# Altium PCB AMC_Single_Panel.PcbDoc (part 3 of 5)
Units mm, origin at the board's own origin, x right, y up, seen from the top; angles counter-clockwise.
Board outline 67.1 x 200.1 mm, 4 copper layers (TOP, GND, PWR, BTM), stack 1.618 mm thick; 416 components, 275 nets, 1519 pads, 733 vias.
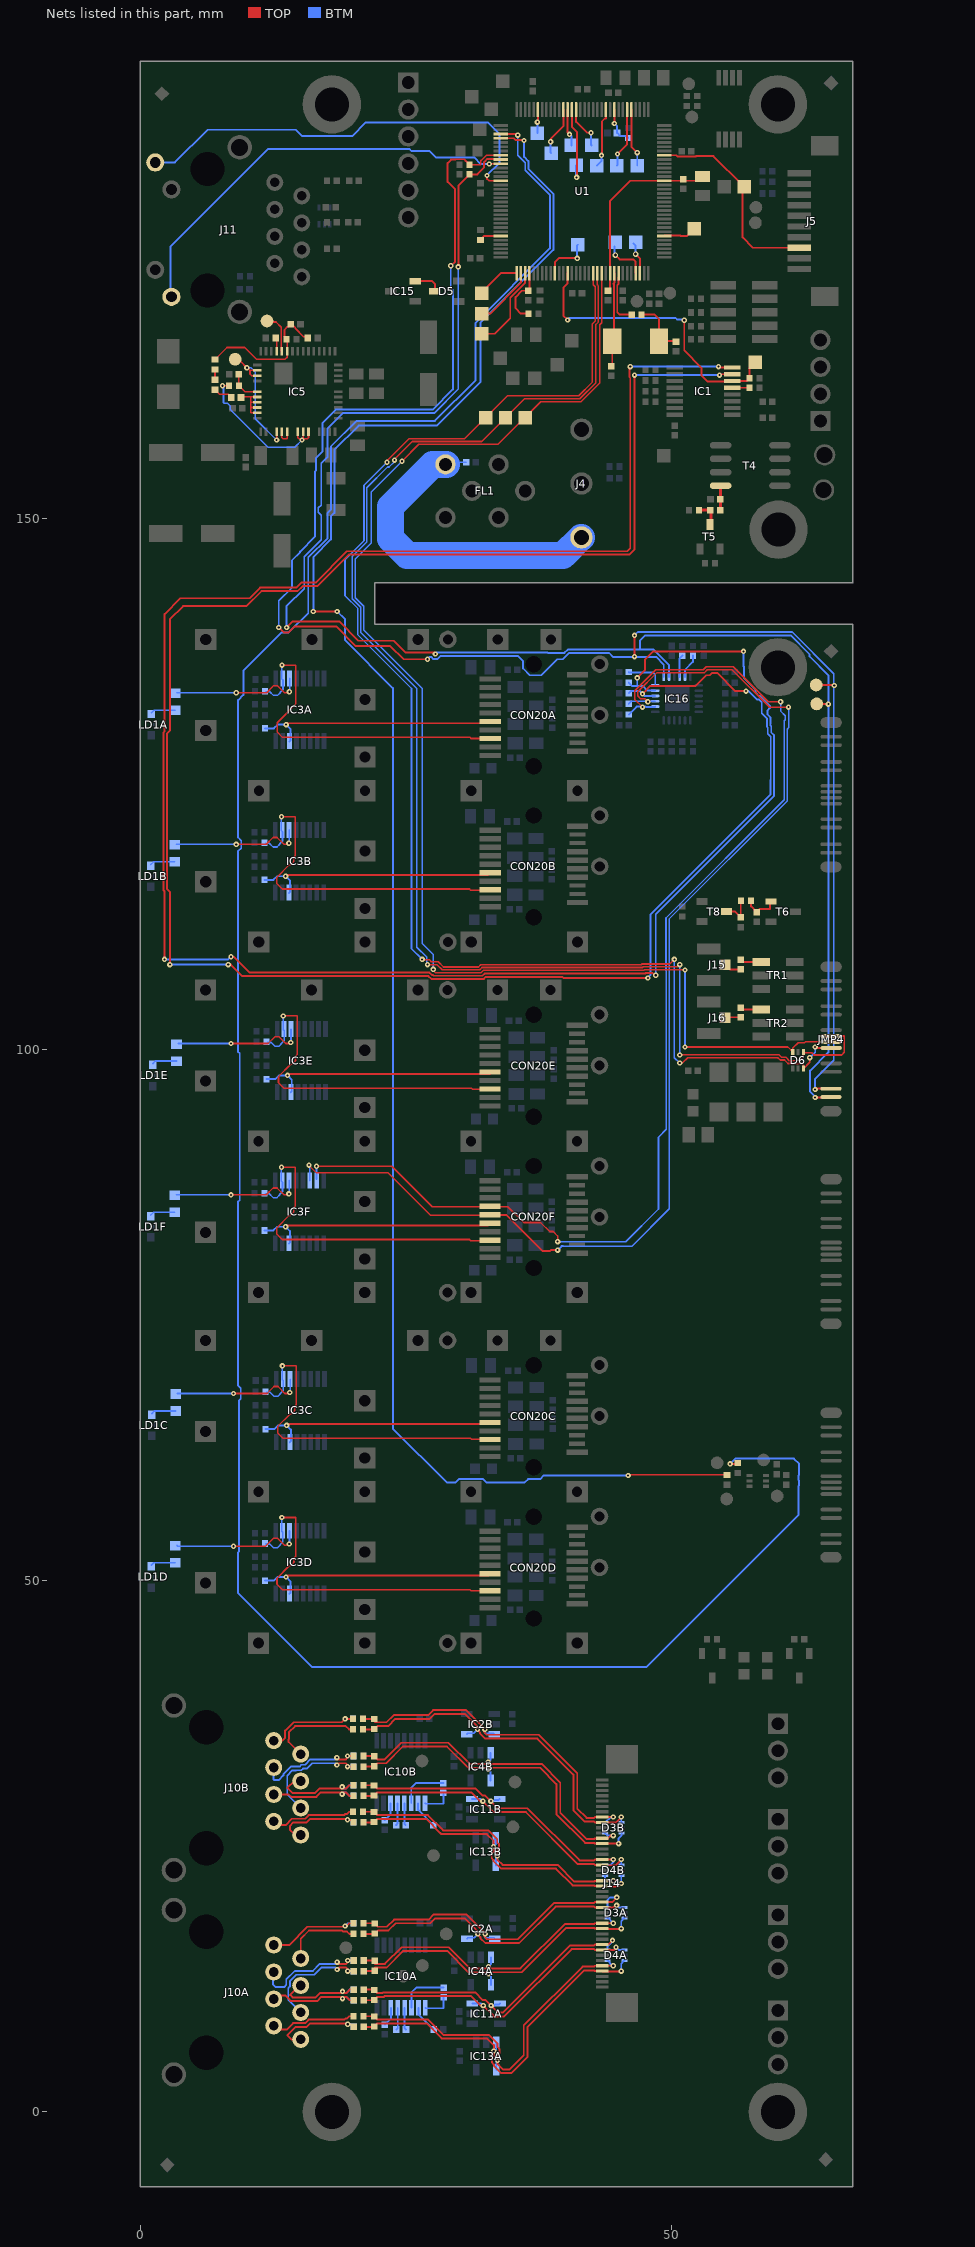
[diagram p5: the nets of this part, all layers, seen from the top]

## Via types
v1: diameter 0.5, hole 0.2, TOP to BTM, tented both sides, 677 vias
v2: diameter 0.5, hole 0.2, TOP to BTM, 44 vias
v3: diameter 0.5, hole 0.3, TOP to BTM, tented both sides, 5 vias
v4: diameter 0.66, hole 0.33, TOP to BTM, tented both sides, 4 vias
v5: diameter 0.51, hole 0.3, TOP to BTM, 3 vias

## Nets (pads, with @x,y where several pads share a name; then routed paths per layer and width w, separated by ;. In a path a pad name is that pad's centre, name@x,y a point inside that pad or via, vN(x,y) a via of type N, cw(c..) or ccw(c..) an arc to the next point about the centre after c; other vN are vias at no path point) (continued)
I2CG.SCL: CON20F.5 IC3F.14 IC16.15 R203.1 | length 113
  TOP w0.152: v1(15.855,89.126) 15.855,89.088 16.517,88.426 23.255,88.426 27.255,84.426 CON20F.5@32.755,84.426 ; v1(47.75,132.75) 47.451,133.049 47.063,133.049 46.799,133.313 46.799,133.687 48.612,135.5 53.081,135.5 53.352,135.771 55.677,135.771 59.221,132.228 60.978,132.228 v1(61,132.25)
  TOP w0.178: CON20F.5@32.855,84.421 34.46,84.421 37.83,81.051 38.552,81.051 38.627,81.126 v1(39.255,81.126)
  BTM w0.152: v1(15.855,89.126) 15.93,89.051 IC3F.14@15.93,87.676 ; 39.75,81.5 46.25,81.5 49.768,85.018 49.768,107.525 49.75,107.544 49.75,112.304 60.863,123.417 60.863,130.161 61,130.297 v1(61,132.25) ; 47.5,132.8 47.7,132.8 v1(47.75,132.75)
  BTM w0.178: v1(39.255,81.126) 39.629,81.5 39.75,81.5 ; R203.1@45.95,132.55 46.2,132.8 47.5,132.8 ; v1@47.7,132.8 IC16.15@48.45,132.8
I2CG.SDA: CON20F.4 IC3F.15 IC16.14 R202.1 | length 111.5
  TOP w0.152: v1(16.555,89.026) 23.655,89.026 27.46,85.221 32.855,85.221 34.56,85.221 36.055,83.726 37.655,83.726 38.504,82.877 38.842,82.877 39.255,82.464 v1(39.255,81.926) ; v1(47.25,132.25) 46.526,132.974 46.526,133.8 48.499,135.772 52.968,135.772 53.239,136.044 55.79,136.044 59.084,132.75 v1(60.25,132.75)
  BTM w0.152: IC3F.15@16.555,87.826 v1(16.555,89.026) ; v1(39.255,81.926) 45.676,81.926 48.75,85 48.75,91.75 49.496,92.496 49.496,107.413 49.457,107.451 49.457,112.396 60.591,123.53 60.591,130.953 60.701,131.063 60.701,131.437 60.25,131.888 v1(60.25,132.75)
  BTM w0.178: R202.1@45.95,131.55 46.7,132.3 47.528,132.3 47.553,132.275 48.425,132.275 IC16.14@48.45,132.3
I2CH.SCL: IC1.16 IC16.17 R205.1 | length 204.8
  TOP w0.178: v1(2.25,108.5) 2.25,114.907 2.16,114.997 2.16,129.884 2.25,129.974 2.25,141 3.75,142.5 10.25,142.5 11.25,143.5 14.66,143.5 15.125,143.965 16.465,143.965 19.42,146.92 45.82,146.92 46.1,147.2 46.1,163.228 46.025,163.303 46.025,164.225 v1(46.1,164.3) ; v1(8.5,108.75) 8.75,108.75 9.75,107.75 ; 9.75,107.75 10.25,107.25 27.192,107.25 27.405,107.036 27.51,107.036 27.589,106.957 32.168,106.957 32.376,107.165 47.493,107.165 47.553,107.225 48.145,107.225 v1@48.435,106.935 ; v1(46.75,135) 47.5,135.75 47.5,136.75 48.25,137.5 v1(56.75,137.5) ; v1(54.4,164.3) 54.477,164.223 IC1.16@55.7,164.223
  BTM w0.178: v1(2.25,108.5) 8.25,108.5 v1(8.5,108.75) ; R205.1@45.95,134.55 46.25,134.25 46.75,134.25 ; v1(46.1,164.3) v1(54.4,164.3) ; v1(46.75,135) 46.75,134.25 ; IC16.17@48.45,133.8 47.7,133.8 47.25,134.25 46.75,134.25 ; v1(48.5,107) 48.5,112.75 59.616,123.866 59.616,125.25 59.64,125.274 59.64,129.583 59.365,129.858 59.365,130.462 59.279,130.548 59.279,130.654 59.295,130.671 59.295,131.283 59.025,131.553 59.025,131.946 59.25,132.172 59.25,132.374 58.329,133.295 58.205,133.295 57.9,133.6 57.9,133.9 56.79,135.01 56.79,136.074 56.75,136.114 v1(56.75,137.5)
I2CH.SDA: IC1.15 IC16.16 R204.1 | length 197.6
  TOP w0.178: v1(2.75,108) 2.75,114.859 2.48,115.129 2.48,129.752 2.75,130.022 2.75,140.5 4,141.75 9.953,141.75 11.383,143.18 14.793,143.18 15.258,143.645 16.645,143.645 19.6,146.6 46,146.6 46.5,147.1 v1(46.5,163.5) ; v1(8.25,108) 8.5,108 9.57,106.93 27.09,106.93 27.362,106.659 32.323,106.659 32.509,106.845 39.691,106.845 39.786,106.75 v1(47.75,106.75) ; v1(47.25,133.5) 48,134.25 52.25,134.25 53.25,135.25 53.578,135.25 53.803,135.475 54.275,135.475 56,133.75 v1(57,133.75) ; v1(54.5,163.5) 54.588,163.588 IC1.15@55.7,163.588
  BTM w0.178: v1(2.75,108) v1(8.25,108) ; R204.1@45.95,133.55 46.15,133.75 47,133.75 v1(47.25,133.5) 47.45,133.3 IC16.16@48.45,133.3 ; v1(46.5,163.5) v1(54.5,163.5) ; v1(47.75,106.75) 48,107 48,112.703 59.296,123.999 59.296,125.383 59.32,125.406 59.32,129.45 59.045,129.725 59.045,130.329 58.956,130.418 58.956,130.784 58.975,130.803 58.975,131.15 58.475,131.65 58.475,132.696 58.197,132.975 58.025,132.975 57.25,133.75 v1(57,133.75)
LCD_RSTN: J5.3 TP23.1 U1.121 | length 18.9
  TOP w0.178: U1.121@49.6,184.2 50.419,184.2 50.549,184.07 52.251,184.07 52.301,184.12 53.925,184.12 56.675,181.37 56.675,176.475 57.65,175.5 J5.3@62,175.5
LED1: J11.D3 U1.42 | length 40
  TOP w0.178: v1(32.822,183.378) 32.8,183.4 U1.42@33.9,183.4
  BTM w0.178: J11.D3@2.8,171.2 2.8,175.6 12,184.8 25.3,184.8 25.5,184.6 27.2,184.6 27.8,184 31.4,184 32.022,183.378 v1(32.822,183.378)
LED2: J11.D1 U1.46 | length 41
  TOP w0.178: v1(32.6,182.3) 32.6,182 32.8,181.8 U1.46@33.9,181.8
  BTM w0.178: J11.D1@1.378,183.525 3.225,183.525 6.3,186.6 14.6,186.6 15.2,186 19.9,186 21.2,187.3 32.7,187.3 33.8,186.2 33.8,183.5 v1(32.6,182.3)
LOSA: CON20A.8 IC3A.10 R91A.1 | length 33
  TOP w0.152: v1(13.3,136.2) 14.6,136.2 14.6,132.538 12.849,130.787 12.849,129.913 13.366,129.396 31.004,129.396 31.105,129.295 CON20A.8@32.9,129.295
  BTM w0.152: R91A.1@11.8,133.7 12.162,133.7 12.513,133.349 12.887,133.349 13.151,133.613 13.151,133.651 13.4,133.9 13.4,134.8 13.3,134.9 v1(13.3,136.2)
LOSB: CON20B.8 IC3B.10 R91B.1 | length 33
  TOP w0.152: v1(13.255,121.926) 14.555,121.926 14.555,118.264 14.404,118.113 14.404,117.713 14.068,117.377 13.968,117.377 12.804,116.213 12.804,115.639 13.321,115.122 30.959,115.122 31.06,115.021 CON20B.8@32.855,115.021
  BTM w0.152: R91B.1@11.755,119.426 12.117,119.426 12.468,119.075 12.842,119.075 13.106,119.339 13.106,119.377 13.355,119.626 13.355,120.526 13.255,120.626 v1(13.255,121.926)
LOSC: CON20C.8 IC3C.10 R91C.1 | length 33
  TOP w0.152: v1(13.343,70.23) 14.643,70.23 14.643,66.568 14.491,66.417 14.491,66.017 14.156,65.682 14.056,65.682 12.891,64.517 12.891,63.944 13.408,63.427 31.046,63.427 31.148,63.325 CON20C.8@32.943,63.325
  BTM w0.152: R91C.1@11.843,67.73 12.205,67.73 12.556,67.379 12.929,67.379 13.194,67.644 13.194,67.682 13.443,67.93 13.443,68.83 13.343,68.93 v1(13.343,70.23)
LOSD: CON20D.8 IC3D.10 R91D.1 | length 33
  TOP w0.152: v1(13.292,55.956) 14.592,55.956 14.592,52.294 14.441,52.142 14.441,51.742 14.105,51.407 14.005,51.407 12.841,50.242 12.841,49.669 13.358,49.152 30.996,49.152 31.097,49.051 CON20D.8@32.892,49.051
  BTM w0.152: R91D.1@11.792,53.456 12.154,53.456 12.505,53.104 12.879,53.104 13.143,53.369 13.143,53.407 13.392,53.656 13.392,54.556 13.292,54.656 v1(13.292,55.956)
LOSE: CON20E.8 IC3E.10 R91E.1 | length 33
  TOP w0.152: v1(13.43,103.176) 14.73,103.176 14.73,99.514 14.579,99.363 14.579,98.963 14.243,98.627 14.143,98.627 12.979,97.463 12.979,96.889 13.496,96.372 31.134,96.372 31.235,96.271 CON20E.8@33.03,96.271
  BTM w0.152: R91E.1@11.93,100.676 12.292,100.676 12.643,100.325 13.017,100.325 13.281,100.589 13.281,100.627 13.53,100.876 13.53,101.776 13.43,101.876 v1(13.43,103.176)
LOSF: CON20F.8 IC3F.10 R91F.1 | length 33
  TOP w0.152: v1(13.255,88.926) 14.555,88.926 14.555,85.264 14.404,85.113 14.404,84.713 14.068,84.377 13.968,84.377 12.804,83.213 12.804,82.639 13.321,82.122 30.959,82.122 31.06,82.021 CON20F.8@32.855,82.021
  BTM w0.152: R91F.1@11.755,86.426 12.117,86.426 12.468,86.075 12.842,86.075 13.106,86.339 13.106,86.377 13.355,86.626 13.355,87.526 13.255,87.626 v1(13.255,88.926)
LVDS0_N: D3B.1 IC2B.4 J14.32 R22B.1 R40B.2 | length 33.3
  TOP w0.178: R40B.2@20.94,36 21.97,36 22.292,36.322 23.295,36.322 23.973,37 27.223,37 27.687,37.464 30.506,37.464 31.72,36.25 v1(31.72,36) 31.72,35.95 31.965,35.705 31.965,35.607 32.428,35.144 37.356,35.144 40.75,31.75 40.75,28.406 41.834,27.322 42.689,27.322 42.761,27.25 J14.32@43.45,27.25 43.472,27.228 44.728,27.228 v1(45.25,27.75)
  BTM w0.178: IC2B.4@30.7,35.55 30.789,35.639 31.359,35.639 v1(31.72,36) ; v1(45.25,27.75) 45.25,27.29 D3B.1@45.29,27.25
LVDS0_P: D3B.6 IC2B.3 J14.33 R22B.2 R39B.2 | length 32.9
  TOP w0.178: R39B.2@20.94,37 21.75,37 22.072,36.678 23.148,36.678 23.826,37.356 27.076,37.356 27.54,37.82 30.653,37.82 32.408,36.065 v1(32.408,36) 32.346,35.938 32.346,35.73 32.576,35.5 37.503,35.5 41.106,31.897 41.106,28.553 41.981,27.678 42.689,27.678 42.761,27.75 J14.33@43.45,27.75 v1(44.5,27.75)
  BTM w0.178: v1(32.408,36) 32.408,35.639 33.211,35.639 IC2B.3@33.3,35.55 ; D3B.6@43.71,27.25 43.75,27.25 44.25,27.75 v1(44.5,27.75)
LVDS0A_N: D3A.1 IC2A.4 J14.16 R22A.1 R40A.2 | length 29.1
  TOP w0.178: R40A.2@20.97,16.75 22,16.75 22.322,17.072 23.325,17.072 24.003,17.75 27.253,17.75 27.717,18.214 30.536,18.214 31.75,17 v1(31.75,16.75) 31.75,16.7 31.995,16.455 31.995,16.357 32.458,15.894 35.647,15.894 39.075,19.322 42.689,19.322 42.761,19.25 J14.16@43.45,19.25 44.5,19.25 v1@44.75,19.5
  BTM w0.178: IC2A.4@30.73,16.3 30.819,16.389 31.389,16.389 v1(31.75,16.75) ; v1(44.814,19.436) 45,19.25 D3A.1@45.54,19.25
LVDS0A_P: D3A.6 IC2A.3 J14.17 R22A.2 R39A.2 | length 30.2
  TOP w0.178: R39A.2@20.97,17.75 22,17.75 22.322,17.428 23.178,17.428 23.856,18.106 27.106,18.106 27.57,18.57 30.683,18.57 32.438,16.815 v1(32.438,16.75) 32.376,16.688 32.376,16.48 32.606,16.25 35.5,16.25 38.25,19 ; 38.354,19.104 38.928,19.678 42.689,19.678 42.761,19.75 J14.17@43.45,19.75 44.391,19.75 v1(44.829,20.188)
  BTM w0.178: v1(32.438,16.75) 32.438,16.389 33.241,16.389 IC2A.3@33.33,16.3 ; D3A.6@43.96,19.25 43.96,19.96 44.188,20.188 v1(44.829,20.188)
LVDS0CA_N: J10A.2 R40A.1 | length 7.3
  TOP w0.178: J10A.2@15.07,14.435 15.07,16.292 15.85,17.072 18.94,17.072 19.034,16.978 19.423,16.978 19.651,16.75 R40A.1@20.03,16.75
LVDS0CA_P: J10A.1 R16A.1 R39A.1 | length 9.6
  TOP w0.178: J10A.1@12.374,15.376 J10A.1@12.702,15.705 ; J10A.1@12.53,15.705 J10A.1@12.702,15.705 ; v1@19.25,17.428 15.703,17.428 13.98,15.705 J10A.1@12.702,15.705 ; v1@19.329,17.428 19.651,17.75 R39A.1@20.03,17.75
  BTM w0.178: v1(19.25,17.5) 19.5,17.75 R16A.1@20.03,17.75
LVDS0CB_N: J10B.2 R40B.1 | length 9
  TOP w0.178: J10B.2@15.07,33.685 13.92,34.835 13.92,35.042 13.956,35.078 13.956,35.736 14.542,36.322 19.299,36.322 19.621,36 R40B.1@20,36
LVDS0CB_P: J10B.1 R16B.1 R39B.1 | length 9.9
  TOP w0.178: J10B.1@12.344,34.626 J10B.1@12.672,34.955 ; J10B.1@12.53,34.955 J10B.1@12.672,34.955 ; R39B.1@20,37 v1(19.25,37) 18.928,36.678 14.395,36.678 13.6,35.883 13.6,35.225 13.33,34.955 J10B.1@12.672,34.955
  BTM w0.178: v1(19.25,37) 19.5,37 R16B.1@20,37
LVDS1_N: D3B.3 IC4B.4 J14.28 R24B.1 R44B.2 | length 32.6
  TOP w0.178: R44B.2@20.97,32.5 21.97,32.5 22.292,32.822 23.117,32.822 24.689,34.394 28.826,34.394 30.826,32.394 32.554,32.394 v1(32.72,32.228) 32.886,32.394 37.606,32.394 39.144,30.856 39.144,28.031 41.853,25.322 42.689,25.322 42.761,25.25 J14.28@43.45,25.25 v1(45,25.25)
  BTM w0.178: v1(32.72,32.228) 32.95,31.998 IC4B.4@32.95,31.2 ; v1(45,25.25) 45,25.75 45.29,26.04 D3B.3@45.29,26.25
LVDS1_P: D3B.4 IC4B.3 J14.29 R24B.2 R41B.2 | length 31.9
  TOP w0.178: R41B.2@20.97,33.5 21.97,33.5 22.292,33.178 22.97,33.178 24.542,34.75 28.973,34.75 30.973,32.75 32.554,32.75 v1(32.72,32.916) 32.886,32.75 37.753,32.75 39.5,31.003 39.5,28.178 42,25.678 42.689,25.678 42.761,25.75 J14.29@43.45,25.75 44,25.75 44.25,26 v1(44.5,26)
  BTM w0.178: v1(32.72,32.916) 32.95,33.146 IC4B.3@32.95,33.8 ; D3B.4@43.71,26.25 43.96,26 v1(44.5,26)
LVDS1A_N: D3A.3 IC4A.4 J14.12 R24A.1 R44A.2 | length 30
  TOP w0.178: R44A.2@21,13.25 21.75,13.25 22.072,13.572 23.147,13.572 24.719,15.144 28.856,15.144 30.856,13.144 32.584,13.144 v1(32.75,12.978) 32.916,13.144 35.894,13.144 40.072,17.322 42.689,17.322 42.761,17.25 J14.12@43.45,17.25 43.472,17.228 45.228,17.228 v1(45.25,17.25)
  BTM w0.178: v1(32.75,12.978) 32.98,12.748 IC4A.4@32.98,11.95 ; v1(45.25,17.25) 45.25,17.96 D3A.3@45.54,18.25
LVDS1A_P: D3A.4 IC4A.3 J14.13 R24A.2 R41A.2 | length 28.7
  TOP w0.178: R41A.2@21,14.25 21.75,14.25 22.072,13.928 23,13.928 24.572,15.5 29.003,15.5 31.003,13.5 32.584,13.5 v1(32.75,13.666) 32.916,13.5 35.747,13.5 39.925,17.678 42.689,17.678 42.761,17.75 J14.13@43.45,17.75 v1(44.5,17.75)
  BTM w0.178: v1(32.75,13.666) 32.98,13.896 IC4A.3@32.98,14.55 ; D3A.4@43.96,18.25 44,18.25 v1(44.5,17.75)
LVDS1CA_N: J10A.6 R20A.1 R44A.1 | length 10.7
  TOP w0.178: v1(18.5,13.406) 18.666,13.572 19.359,13.572 v1@19.591,13.341 ; v1@19.681,13.25 R44A.1@20.06,13.25
  BTM w0.178: J10A.6@15.07,9.355 13.894,10.531 13.894,11.642 14.061,11.808 14.061,12.308 14.061,12.313 14.652,12.904 16.357,12.904 16.461,13.008 17.025,13.572 18.334,13.572 v1(18.5,13.406) ; v1(19.5,13.25) R20A.1@20.06,13.25
LVDS1CA_P: J10A.3 R17A.1 R41A.1 | length 11.6
  TOP w0.178: v1(18.5,14.094) 18.666,13.928 19.359,13.928 v1@19.591,14.159 ; v1(19.5,14.25) R41A.1@20.06,14.25
  BTM w0.178: J10A.3@13.007,13.26 12.749,13.001 12.585,13.165 J10A.3@12.53,13.165 12.475,13.11 12.475,11.975 12.7,11.75 13.5,11.75 13.705,11.955 13.705,12.46 14.505,13.26 16.21,13.26 16.878,13.928 18.334,13.928 v1(18.5,14.094) ; v1(19.5,14.25) R17A.1@20.06,14.25
LVDS1CB_N: J10B.6 R20B.1 R44B.1 | length 11
  TOP w0.178: v1(18.47,32.656) 18.636,32.822 19.329,32.822 v1@19.561,32.591 ; v1@19.651,32.5 R44B.1@20.03,32.5
  BTM w0.178: J10B.6@15.07,28.605 13.8,29.875 13.8,31.65 14.294,32.144 14.643,32.144 14.652,32.154 15.124,32.154 15.291,32.321 15.635,32.321 16.137,32.822 18.304,32.822 v1(18.47,32.656) ; v1(19.47,32.5) R20B.1@20.03,32.5
LVDS1CB_P: J10B.3 R17B.1 R41B.1 | length 11.6
  TOP w0.178: v1(18.47,33.344) 18.636,33.178 19.329,33.178 v1@19.561,33.409 ; v1(19.47,33.5) R41B.1@20.03,33.5 v1(19.47,33.5)
  BTM w0.178: J10B.3@12.53,32.415 J10B.3@12.555,32.415 ; J10B.3@12.977,32.51 12.719,32.251 J10B.3@12.555,32.415 ; v1(18.47,33.344) 18.304,33.178 15.99,33.178 15.488,32.676 15.143,32.676 14.977,32.51 14.285,32.51 14.275,32.5 14.147,32.5 14.028,32.381 13.444,31.797 13.444,31.669 13,31.225 12.575,31.225 12.5,31.3 12.5,32.36 J10B.3@12.555,32.415 ; v1(19.47,33.5) R17B.1@20.03,33.5
LVDS2_N: D4B.1 IC11B.3 J14.24 R26B.1 R43B.2 | length 28.8
  TOP w0.178: R43B.2@20.97,29.75 21.94,29.75 22.262,30.072 31.148,30.072 v1@31.97,29.25 ; v1(32.22,29.25) 33.242,28.228 36.269,28.228 41.175,23.322 42.689,23.322 42.761,23.25 J14.24@43.45,23.25 43.486,23.214 44.714,23.214 v1(45.25,23.75)
  BTM w0.178: IC11B.3@31.2,29.45 32.02,29.45 v1(32.22,29.25) ; v1(45.25,23.75) 45.25,23.29 D4B.1@45.29,23.25
LVDS2_P: D4B.6 IC11B.4 J14.25 R26B.2 R42B.2 | length 28.5
  TOP w0.178: R42B.2@20.97,30.75 21.94,30.75 22.262,30.428 31.545,30.428 32.201,29.772 32.445,29.772 v1(32.97,29.247) 33.633,28.584 36.416,28.584 41.322,23.678 42.689,23.678 42.761,23.75 J14.25@43.45,23.75 44.25,23.75 v1(44.5,23.75)
  BTM w0.178: v1(32.97,29.247) 33.217,29.247 33.331,29.361 33.711,29.361 IC11B.4@33.8,29.45 ; D4B.6@43.71,23.25 44.25,23.25 44.5,23.5 v1(44.5,23.75)
LVDS2A_N: D4A.1 IC11A.3 J14.8 R26A.1 R43A.2 | length 29.4
  TOP w0.178: R43A.2@21,10.5 21.97,10.5 22.292,10.822 22.897,10.822 22.969,10.894 31.106,10.894 v1@32,10 ; v1(32.25,10) 33.272,8.978 34.228,8.978 40.572,15.322 42.689,15.322 42.761,15.25 J14.8@43.45,15.25 44.75,15.25 v1(44.75,15.5)
  BTM w0.178: IC11A.3@31.23,10.2 32.05,10.2 v1(32.25,10) ; v1(44.75,15.5) 45,15.25 D4A.1@45.54,15.25
LVDS2A_P: D4A.6 IC11A.4 J14.9 R26A.2 R42A.2 | length 29.2
  TOP w0.178: R42A.2@21,11.5 21.97,11.5 22.292,11.178 22.75,11.178 22.822,11.25 31.503,11.25 32.231,10.522 32.475,10.522 v1(33,9.997) 33.663,9.334 34.081,9.334 40.425,15.678 42.689,15.678 42.761,15.75 J14.9@43.45,15.75 44.027,15.75 v1(44.425,16.148)
  BTM w0.178: v1(33,9.997) 33.247,9.997 33.361,10.111 33.741,10.111 IC11A.4@33.83,10.2 ; D4A.6@43.96,15.25 43.96,15.598 44.425,16.063 v1(44.425,16.148)
LVDS2CA_N: J10A.5 R19A.1 R43A.1 | length 9.4
  TOP w0.178: J10A.5@12.53,10.625 12.844,10.939 13.643,10.939 13.944,10.637 13.944,10.633 14.153,10.425 16.628,10.425 17.025,10.822 19.359,10.822 19.681,10.5 R43A.1@20.06,10.5
  BTM w0.178: v1(19,10.656) 19.166,10.822 19.359,10.822 19.681,10.5 R19A.1@20.06,10.5
LVDS2CA_P: J10A.4 R18A.1 R42A.1 | length 9
  TOP w0.178: J10A.4@15.07,11.895 14.97,11.895 14.08,11.005 14.3,10.785 14.3,10.781 16.481,10.781 16.878,11.178 19.359,11.178 19.681,11.5 R42A.1@20.06,11.5
  BTM w0.178: v1(19,11.344) 19.166,11.178 19.359,11.178 19.681,11.5 R18A.1@20.06,11.5
LVDS2CB_N: J10B.5 R19B.1 R43B.1 | length 9.2
  TOP w0.178: J10B.5@12.53,29.875 13.944,29.875 14.175,29.644 16.547,29.644 16.975,30.072 19.329,30.072 19.651,29.75 R43B.1@20.03,29.75
  BTM w0.178: v1(18.97,29.906) 19.136,30.072 19.329,30.072 19.651,29.75 R19B.1@20.03,29.75
LVDS2CB_P: J10B.4 R18B.1 R42B.1 | length 9.5
  TOP w0.178: J10B.4@15.07,31.145 14.445,31.145 13.81,30.51 13.8,30.51 14.079,30.231 14.092,30.231 14.322,30 16.4,30 16.828,30.428 19.329,30.428 19.651,30.75 R42B.1@20.03,30.75
  BTM w0.178: v1(18.97,30.594) 19.136,30.428 19.329,30.428 19.651,30.75 R18B.1@20.03,30.75
LVDS3_N: D4B.3 IC13B.3 J14.20 R15B.2 R31B.1 | length 31
  TOP w0.178: R15B.2@20.97,27.25 21.94,27.25 22.262,27.572 26.898,27.572 28.22,26.25 28.324,26.146 32.601,26.146 33.22,25.527 v1(33.22,24.972) 33.22,24.466 33.054,24.3 33.054,23.868 33.22,23.702 33.22,23.603 33.928,22.894 39.103,22.894 40.675,21.322 42.689,21.322 42.761,21.25 J14.20@43.45,21.25 43.472,21.228 44.978,21.228 v1(45.25,21.5)
  BTM w0.178: v1(45.25,21.5) 45.25,22.21 D4B.3@45.29,22.25 ; v1(33.22,24.972) 33.45,25.202 IC13B.3@33.45,25.8 33.22,25.57 v1(33.22,24.972)
LVDS3_P: D4B.4 IC13B.4 J14.21 R14B.2 R31B.2 | length 29.8
  TOP w0.178: R14B.2@20.94,28.25 21.94,28.25 22.262,27.928 27.045,27.928 28.471,26.501 32.749,26.501 33.576,25.674 33.576,25.354 33.742,25.188 33.742,24.756 33.576,24.589 v1(33.576,24.084) 33.576,23.75 34.076,23.25 39.25,23.25 40.822,21.678 42.689,21.678 42.761,21.75 J14.21@43.45,21.75 44.25,21.75 v1(44.5,21.75)
  BTM w0.178: IC13B.4@33.45,23.2 33.45,23.908 v1@33.626,24.084 ; D4B.4@43.71,22.25 43.71,21.75 v1(44.5,21.75)
LVDS3A_N: D4A.3 IC13A.3 J14.4 R15A.2 R31A.1 | length 35.7
  TOP w0.178: R15A.2@21,8 21.97,8 22.292,8.322 26.928,8.322 28.25,7 28.354,6.896 32.631,6.896 33.25,6.277 33.25,5.216 33.084,5.05 33.084,4.618 33.25,4.452 33.25,4.353 33.958,3.644 34.897,3.644 36.428,5.175 36.428,8 41.75,13.322 42.689,13.322 42.761,13.25 J14.4@43.45,13.25 43.472,13.228 45.228,13.228 v1(45.25,13.25)
  BTM w0.178: 33.084,5.515 33.48,5.911 IC13A.3@33.48,6.55 ; v1@33.25,5.681 v1(33.25,5.722) ; v1(45.25,13.25) 45.25,13.96 D4A.3@45.54,14.25
LVDS3A_P: D4A.4 IC13A.4 J14.5 R14A.2 R31A.2 | length 34.6
  TOP w0.178: R14A.2@20.97,9 21.97,9 22.292,8.678 27.075,8.678 28.501,7.251 32.779,7.251 33.606,6.424 33.606,6.104 33.772,5.938 33.772,5.506 33.606,5.339 v1(33.606,4.834) 33.606,4.5 34.106,4 34.75,4 36.072,5.322 36.072,8.147 41.603,13.678 42.689,13.678 42.761,13.75 J14.5@43.45,13.75 v1(44.5,13.75)
  BTM w0.178: IC13A.4@33.48,3.95 33.48,4.658 v1@33.772,4.95 ; v1(33.606,4.834) v1@33.656,4.834 ; D4A.4@43.96,14.25 44.25,13.96 44.25,13.75 v1(44.5,13.75)
LVDS3CA_N: J10A.8 R15A.1 R21A.1 | length 8.8
  TOP w0.178: J10A.8@15.07,6.815 14.185,6.815 13.81,7.19 14.514,7.894 14.61,7.991 15.635,7.991 15.967,8.322 v1@19.359,8.322 ; v1@19.466,8.216 19.844,8.216 R15A.1@20.06,8
  BTM w0.178: v1(19.5,8.25) 19.81,8.25 R21A.1@20.06,8
LVDS3CA_P: J10A.7 R14A.1 | length 8.2
  TOP w0.178: J10A.7@12.53,8.089 12.869,7.75 13.75,7.75 14.346,8.346 15.488,8.346 15.82,8.678 19.19,8.678 19.284,8.772 19.423,8.772 19.651,9 R14A.1@20.03,9
LVDS3CB_N: J10B.8 R15B.1 R21B.1 | length 8.5
  TOP w0.178: J10B.8@15.07,26.065 14.56,26.065 14.05,26.575 14.05,26.9 14.391,27.241 15.635,27.241 15.967,27.572 v1@19.329,27.572 ; v1@19.436,27.466 19.814,27.466 R15B.1@20.03,27.25
  BTM w0.178: v1(19.47,27.5) 19.78,27.5 R21B.1@20.03,27.25
LVDS3CB_P: J10B.7 R14B.1 | length 8.1
  TOP w0.178: J10B.7@12.53,27.339 12.869,27 13.647,27 14.243,27.596 15.488,27.596 15.82,27.928 19.16,27.928 19.254,28.022 19.393,28.022 19.621,28.25 R14B.1@20,28.25
MENABLE#: D6.6 JMP4.6 TP33.1 U1.83 | length 135.3
  TOP w0.152: v1(23.2,155.3) 23.2,155.438 25.293,157.531 30.506,157.531 34.53,161.555 41.236,161.555 42.5,162.819 42.5,168.3 42.8,168.6 42.8,171.815 42.6,172.015 U1.83@42.6,173.1 ; v1(26.5,108.5) 26.549,108.451 27.187,108.451 27.359,108.279 28.012,108.279 28.504,107.787 31.809,107.787 32.028,108.006 47.145,108.006 47.205,108.066 49.816,108.066 v1(50.25,108.5) ; v1(50.75,98.75) 51,98.75 51.5,99.25 59.977,99.25 60.2,99.026 60.613,99.026 60.949,98.691 62.309,98.691 62.4,98.6 D6.6@62.4,98.21 63,98.81 v1(63,99.25) ; v1(63.5,100.25) 63.59,100.16 JMP4.6@65.011,100.16
  BTM w0.152: v1(23.2,155.3) 21.028,153.127 21.028,147.913 19.24,146.125 19.24,142.74 20.455,141.524 20.455,139.045 25.5,134 25.5,109.5 v1(26.5,108.5) ; v1(50.25,108.5) 50.25,99.25 v1(50.75,98.75) ; v1(63,99.25) 63.5,99.75 v1(63.5,100.25)
MODDEF0A: CON20A.6 IC3A.6 R90A.1 | length 23.3
  TOP w0.178: v1(13.7,130.6) 13.825,130.725 32.73,130.725 CON20A.6@32.9,130.895
  BTM w0.178: R90A.1@11.72,130.25 12.55,130.25 12.9,130.6 v1(13.7,130.6) 14.1,130.2 14.1,129.1 IC3A.6@14,129
MODDEF0B: CON20B.6 IC3B.6 R90B.1 | length 23.3
  TOP w0.178: v1(13.655,116.326) 13.78,116.451 32.685,116.451 CON20B.6@32.855,116.621
  BTM w0.178: R90B.1@11.675,115.976 12.505,115.976 12.855,116.326 v1(13.655,116.326) 14.055,115.926 14.055,114.826 IC3B.6@13.955,114.726
MODDEF0C: CON20C.6 IC3C.6 R90C.1 | length 23.3
  TOP w0.178: v1(13.743,64.63) 13.868,64.755 32.773,64.755 CON20C.6@32.943,64.925
  BTM w0.178: R90C.1@11.763,64.28 12.593,64.28 12.943,64.63 v1(13.743,64.63) 14.143,64.23 14.143,63.13 IC3C.6@14.043,63.03
MODDEF0D: CON20D.6 IC3D.6 R90D.1 | length 23.3
  TOP w0.178: v1(13.692,50.356) 13.817,50.481 32.722,50.481 CON20D.6@32.892,50.651
  BTM w0.178: R90D.1@11.712,50.006 12.542,50.006 12.892,50.356 v1(13.692,50.356) 14.092,49.956 14.092,48.856 IC3D.6@13.992,48.756
MODDEF0E: CON20E.6 IC3E.6 R90E.1 | length 23.3
  TOP w0.178: v1(13.83,97.576) 13.955,97.701 32.86,97.701 CON20E.6@33.03,97.871
  BTM w0.178: R90E.1@11.85,97.226 12.68,97.226 13.03,97.576 v1(13.83,97.576) 14.23,97.176 14.23,96.076 IC3E.6@14.13,95.976
MODDEF0F: CON20F.6 IC3F.6 R90F.1 | length 23.3
  TOP w0.178: v1(13.655,83.326) 13.78,83.451 32.685,83.451 CON20F.6@32.855,83.621
  BTM w0.178: R90F.1@11.675,82.976 12.505,82.976 12.855,83.326 v1(13.655,83.326) 14.055,82.926 14.055,81.826 IC3F.6@13.955,81.726
MPS0#: D6.1 JMP4.8 TP34.1 U1.84 | length 136.6
  TOP w0.152: v1(23.9,155.5) 23.907,155.507 23.907,155.593 25.574,157.259 32.109,157.259 36.133,161.283 41.349,161.283 42.864,162.798 42.864,168.279 43.1,168.515 43.1,171.9 43,172 U1.84@43,173.1 ; v1(27,108) 27.006,108.006 27.899,108.006 28.391,107.514 31.921,107.514 32.141,107.734 47.258,107.734 47.318,107.794 50.544,107.794 v1(50.75,108) ; v1(50.75,99.5) 50.772,99.522 60.09,99.522 60.313,99.299 60.726,99.299 61.061,98.964 62.023,98.964 62.4,99.341 D6.1@62.4,99.79 62.489,99.701 63.187,99.701 63.388,99.5 66,99.5 66.25,99.75 66.25,101.25 66.22,101.28 JMP4.8@65.011,101.28
  BTM w0.152: v1(23.9,155.5) 23.9,155.362 23.387,154.848 23.248,154.848 21.3,152.9 21.3,147.8 19.928,146.428 19.928,142.437 20.728,141.637 20.728,139.272 26,134 26,109.638 26.951,108.687 26.951,108.049 v1(27,108) ; v1(50.75,99.5) v1(50.75,108)
MPS1#: D6.3 JMP4.7 TP35.1 U1.85 | length 130.6
  TOP w0.152: v1(24.6,155.4) 26.187,156.987 33.637,156.987 37.66,161.01 41.462,161.01 43.22,162.769 43.22,168.25 43.4,168.43 U1.85@43.4,173.1 ; v1(27.551,107.555) 27.551,107.449 27.758,107.242 32.034,107.242 32.254,107.461 47.371,107.461 47.431,107.521 51.229,107.521 v1(51.25,107.5) ; v1(51.25,100.25) 60.94,100.25 D6.3@61.4,99.79 61.4,100.15 61.904,100.654 62.496,100.654 62.592,100.75 64.981,100.75 JMP4.7@65.011,100.72
  BTM w0.152: v1(24.6,155.4) 21.7,152.5 21.7,147.7 20.2,146.2 20.2,142.55 21,141.75 21,139.5 26.5,134 26.5,110 27.551,108.949 v1(27.551,107.555) ; v1(51.25,100.25) v1(51.25,107.5)
MSCL_L: IC16.19 JMP4.3 R59.1 TP18.1 U1.40 | length 169.9
  TOP w0.152: R59.1@31.1,183.3 32,183.3 32.029,183.329 32.029,183.676 32.256,183.904 32.552,184.2 U1.40@33.9,184.2
  TOP w0.178: v1(13,139.75) 13.475,139.275 13.947,139.275 14.517,139.845 18.405,139.845 20.25,138 23.5,138 24.75,136.75 v1(27,136.75) ; v1(29.2,173.8) 29.6,174.2 29.6,181 28.9,181.7 28.9,183.472 29.228,183.8 29.619,183.8 29.649,183.83 30.47,183.83 30.6,183.7 30.6,183.67 R59.1@30.97,183.3 R59.1@31.1,183.3 ; v1(46.5,137) v1(46.5,139) ; v1(63.5,96.25) 63.58,96.33 JMP4.3@64.989,96.33 ; TP18.1@63.6,134.325 65.25,134.325 v1(65.3,134.275)
  BTM w0.178: v1(13,139.75) 13,142.25 14.25,143.5 14.25,146.078 15.005,146.833 15.005,146.895 16.405,148.295 16.405,154.4 16.505,154.5 16.505,155.695 17.105,156.295 17.105,158.995 18.36,160.25 27.5,160.25 29.405,162.155 29.405,171.505 29.2,171.71 v1(29.2,173.8) ; v1(27,136.75) 27.225,136.975 27.353,136.975 27.553,136.775 27.947,136.775 28.247,137.075 35.497,137.075 36.005,136.567 36.005,135.883 36.638,135.25 37.7,135.25 39.2,136.75 39.75,136.75 40.345,137.345 44.095,137.345 44.465,136.975 48.525,136.975 49.25,136.25 IC16.19@49.25,135.1 ; v1(46.5,139) 46.82,139.32 61.333,139.32 65.25,135.403 65.25,99 63.5,97.25 v1(63.5,96.25)
MSDA_L: IC16.20 JMP4.2 R60.1 TP17.1 U1.41 | length 162.2
  TOP w0.178: v1(13.75,139.75) 14.32,140.32 18.68,140.32 20.5,138.5 23.813,138.5 24.908,137.405 27.595,137.405 v1(27.75,137.25) ; v1(29.9,173.7) 29.92,173.72 29.92,181.32 R60.1@30.9,182.3 ; R60.1@30.97,182.4 30.97,182.37 R60.1@30.9,182.3 ; R60.1@31,182.3 R60.1@30.9,182.3 ; R60.1@31,182.4 31.7,182.4 32.325,183.025 32.325,183.554 32.379,183.608 32.625,183.853 33.847,183.853 U1.41@33.9,183.8 ; v1(63.5,95.5) 64.949,95.5 JMP4.2@64.989,95.54
  TOP w0.2: TP17.1@63.65,132.55 64.7,132.55 64.75,132.5 v1(64.75,132.525)
  BTM w0.178: v1(13.75,139.75) 13.725,139.775 13.725,141.725 15.4,143.4 15.4,146.415 17,148.015 17,150.328 16.725,150.603 16.725,150.997 17,151.272 17,155.2 17.6,155.8 17.6,158.5 19.03,159.93 27.633,159.93 29.9,162.197 29.9,172 v1(29.9,173.7) ; v1(27.75,137.25) 27.895,137.395 38.282,137.395 38.332,137.345 39.892,137.345 40.212,137.665 47,137.665 ; IC16.20@49.75,135.1 49.75,136.203 48.288,137.665 47,137.665 ; v1(63.5,95.5) 63.5,95.578 63.025,96.053 63.025,98.025 64.75,99.75 v1(64.75,132.525) 64.75,135.25 62.97,137.03 62.97,137.23 61.2,139 47.5,139 47,138.5 47,137.665
NetC5_1: C5.1 TR2.3 | length 2
  TOP w0.178: C5.1@56.5,103.95 56.68,103.77 TR2.3@58.41,103.77
NetC5_2: C5.2 J16.1 | length 1.5
  TOP w0.178: J16.1@55.025,103 55.075,103.05 C5.2@56.5,103.05
NetC17_1: C17.1 IC5.36 R25.2 R29.1 R35.1 | length 13.4
  TOP w0.152: R29.1@7,164.97 8.13,166.1 9.8,166.1 10.9,165 13.6,165 13.8,165.2 IC5.36@13.8,165.75 R25.2@13.8,166.9 ; R25.2@13.73,166.9 13.549,167.081 13.549,167.787 13.813,168.051 13.951,168.051 14.2,168.3 14.449,168.051 14.487,168.051 14.544,167.994 14.544,167.909 15.353,167.1 R35.1@15.7,167.1
NetC18_1: C18.1 R28.2 | length 1.9
  TOP w0.152: R28.2@7,162.13 7.43,161.7 8.25,161.7 C18.1@8.55,161.4
NetC18_2: C18.2 IC5.48 IC5.49 IC5.50 IC5.51 | length 5
  TOP w0.152: C18.2@9.5,161.4 9.55,161.45 10.4,161.45 ; IC5.51@11,159.95 10.4,159.95 10.35,160 10.35,160.525 ; IC5.50@11,160.45 10.425,160.45 10.35,160.525 ; IC5.49@11,160.95 10.4,160.95 10.35,161 ; IC5.48@11,161.45 10.4,161.45 ; 10.35,160.525 10.35,161 ; 10.35,161 10.35,161.4 10.4,161.45
NetC19_2: C19.2 IC5.47 R30.1 | length 3.1
  TOP w0.152: C19.2@9.25,163.6 9.25,162.52 R30.1@9.27,162.5 9.82,161.95 IC5.47@11,161.95
NetC21_1: C21.1 R27.2 X1.1 | length 5.5
  TOP w0.178: R27.2@47.17,169.2 48.4,169.2 48.8,168.8 X1.1@48.8,166.7 50.35,166.7 C21.1@50.4,166.65
NetC22_1: C22.1 U1.88 X1.2 | length 8.9
  TOP w0.178: C22.1@44.3,164.35 44.4,164.45 X1.2@44.4,166.7 44.55,166.85 44.55,172.15 ; 44.5,172.1 44.55,172.15 ; U1.88@44.6,173.1 44.6,172.2 44.55,172.15
NetC23_2: C23.2 R32.1 U1.9 | length 3.5
  TOP w0.178: v1(44.6,187.2) U1.9@44.6,188.5
  BTM w0.178: v1(44.6,187.2) 44.85,186.95 C23.2@44.85,186.3 45.15,186 45.73,186 R32.1@45.9,185.83
NetC26_2: C26.2 R66.2 U1.68 | length 5.6
  TOP w0.178: C26.2@36.5,171.45 35.892,171.45 35.3,170.858 35.3,169.8 35.8,169.3 R66.2@36.53,169.3 ; C26.2@36.5,171.5 36.6,171.6 U1.68@36.6,173.1
NetC29_1: C29.1 R36.1 T6.1 | length 3.4
  TOP w0.178: R36.1@57.47,114 57.47,113.48 C29.1@58,112.95 58.3,113.25 59.25,113.25 59.25,113.85 T6.1@59.35,113.95
NetC30_1: C30.1 R37.1 T4.4 | length 2.4
  TOP w0.3: R37.1@54.5,150.7 54.6,150.8 T4.4@54.6,153.09
NetC63_1: C63.1 FL1.3 J4.3 | length 30.3
  BTM w0.152: FL1.3@29.6,155.3 C63.1@30.65,155.3
  BTM w2.54: FL1.3@28.8,155.1 27.5,155.1 23.54,151.14 23.54,148.098 25.098,146.54 39.786,146.54 41.466,148.22 J4.3@41.5,148.22
NetC70A_1: C70A.1 IC10A.3 | length 4.7
  BTM w0.178: IC10A.3@25.505,9.8 25.505,11.245 25.5,11.25 25.95,11.7 C70A.1@28.53,11.7
NetC70A_2: C70A.2 IC10A.1 | length 2.8
  BTM w0.178: IC10A.1@26.805,9.8 26.855,9.75 28.5,9.75 28.53,9.78 C70A.2@28.53,10.8
NetC70B_1: C70B.1 IC10B.3 | length 4.7
  BTM w0.178: IC10B.3@25.475,29.05 25.475,30.495 25.47,30.5 25.92,30.95 C70B.1@28.5,30.95
NetC70B_2: C70B.2 IC10B.1 | length 2.8
  BTM w0.178: IC10B.1@26.775,29.05 26.825,29 28.47,29 28.5,29.03 C70B.2@28.5,30.05
NetC71A_1: C71A.1 IC10A.5 | length 2.1
  BTM w0.178: C71A.1@24.08,7.75 24.205,7.875 IC10A.5@24.205,9.8
NetC71A_2: C71A.2 IC10A.4 | length 2.1
  BTM w0.178: IC10A.4@24.855,9.8 24.855,7.875 C71A.2@24.98,7.75
NetC71B_1: C71B.1 IC10B.5 | length 2.1
  BTM w0.178: C71B.1@24.05,27 24.175,27.125 IC10B.5@24.175,29.05
NetC71B_2: C71B.2 IC10B.4 | length 2.1
  BTM w0.178: IC10B.4@24.825,29.05 24.825,27.125 C71B.2@24.95,27
NetC72A_1: C72A.1 IC10A.2 | length 2.6
  BTM w0.178: IC10A.2@26.155,9.8 26.155,9.175 C72A.1@27.58,7.75
NetC72B_1: C72B.1 IC10B.2 | length 2.6
  BTM w0.178: IC10B.2@26.125,29.05 26.125,28.425 C72B.1@27.55,27
NetC82_1: C82.1 TR1.3 | length 2
  TOP w0.178: C82.1@56.5,108.45 56.68,108.27 TR1.3@58.41,108.27
NetC82_2: C82.2 J15.1 | length 1.7
  TOP w0.178: J15.1@55.025,108 55.475,107.55 C82.2@56.5,107.55
NetC83_1: C83.1 C84.2 C85.2 U1.87 U1.115 | length 18
  TOP w0.152: U1.115@49.3,181.8 52.3,181.8 C83.1@52.7,182.2
  TOP w0.178: C84.2@44,171.5 44.2,171.7 44.2,171.947 44.18,171.967 44.18,173.08 U1.87@44.2,173.1 44.2,179.9 46.1,181.8 U1.115@49.3,181.8
NetC88A_1: C88A.1 IC10A.6 | length 1.8
  BTM w0.178: C88A.1@23,8.2 23.555,8.755 IC10A.6@23.555,9.8
NetC88B_1: C88B.1 IC10B.6 | length 1.8
  BTM w0.178: C88B.1@22.97,27.45 23.525,28.005 IC10B.6@23.525,29.05
NetD5_3: D5.3 IC15.2 | length 2.6
  TOP w0.178: IC15.2@25.85,172.35 27.45,172.35 27.7,172.1 27.7,171.7 27.6,171.6 D5.3@27.6,171.5
NetIC1_13: IC1.13 R38.1 | length 1.7
  TOP w0.178: IC1.13@55.7,162.318 57.382,162.318 R38.1@57.4,162.3
NetIC3A_11: IC3A.11 R93A.1 | length 12.4
  TOP w0.152: v1(9,133.6) 11.862,133.6 12.513,134.251 12.887,134.251 13.538,133.6 13.9,133.6 v1(14,133.7)
  BTM w0.152: R93A.1@3.4,133.6 v1(9,133.6) ; v1(14,133.7) 14.025,133.725 IC3A.11@14.025,134.95
NetIC3B_11: IC3B.11 R93B.1 | length 12.4
  TOP w0.152: v1(9,119.326) 11.817,119.326 12.468,119.977 12.842,119.977 13.493,119.326 13.855,119.326 v1(13.955,119.426)
  BTM w0.152: R93B.1@3.355,119.326 v1(9,119.326) ; v1(13.955,119.426) 13.98,119.451 IC3B.11@13.98,120.676
NetIC3C_11: IC3C.11 R93C.1 | length 12.4
  TOP w0.152: v1(8.75,67.63) 11.905,67.63 12.556,68.282 12.929,68.282 13.581,67.63 13.943,67.63 v1(14.043,67.73)
  BTM w0.152: R93C.1@3.443,67.63 v1(8.75,67.63) ; v1(14.043,67.73) 14.068,67.755 IC3C.11@14.068,68.98
NetIC3D_11: IC3D.11 R93D.1 | length 12.5
  TOP w0.152: v1(8.75,53.25) 11.748,53.25 12.505,54.007 12.879,54.007 13.53,53.356 13.892,53.356 v1(13.992,53.456)
  BTM w0.152: R93D.1@3.392,53.356 3.497,53.25 v1(8.75,53.25) ; v1(13.992,53.456) 14.017,53.481 IC3D.11@14.017,54.706
NetIC3E_11: IC3E.11 R93E.1 | length 12.4
  TOP w0.152: v1(8.5,100.576) 11.992,100.576 12.643,101.227 13.017,101.227 13.668,100.576 14.03,100.576 v1(14.13,100.676)
  BTM w0.152: R93E.1@3.53,100.576 v1(8.5,100.576) ; v1(14.13,100.676) 14.155,100.701 IC3E.11@14.155,101.926
NetIC3F_11: IC3F.11 R93F.1 | length 12.4
  TOP w0.152: v1(8.5,86.326) 11.817,86.326 12.468,86.977 12.842,86.977 13.493,86.326 13.855,86.326 v1(13.955,86.426)
  BTM w0.152: R93F.1@3.355,86.326 v1(8.5,86.326) ; v1(13.955,86.426) 13.98,86.451 IC3F.11@13.98,87.676
NetIC5_4: IC5.4 IC5.43 IC5.44 TP3.1 | length 12.3
  TOP w0.152: TP3.1@9.1,164.8 9.4,164.8 v1(10,164.2) 10.25,163.95 IC5.43@11,163.95 ; 10.3,163.9 10.3,163.6 10.45,163.45 IC5.44@11,163.45 ; v1(12.8,157.4) IC5.4@12.8,158.15
  BTM w0.152: v1(10,164.2) 10.4,164.2 10.8,163.8 10.8,159.4 v1(12.8,157.4)
NetIC5_5: IC5.5 IC5.6 | length 1.7
  TOP w0.152: IC5.5@13.3,158.15 13.3,157.6 13.4,157.5 13.8,157.5 IC5.6@13.8,158.1
NetIC5_8: IC5.8 IC5.9 IC5.10 R30.2 | length 14.7
  TOP w0.152: v1(7.7,162.5) R30.2@8.2,162.5 ; IC5.8@14.8,158.15 14.8,157.6 14.9,157.5 15.1,157.5 v1(15.2,157.4) v1@15.3,157.5 ; IC5.9@15.3,158.15 v1@15.3,157.5 ; IC5.10@15.8,158.15 15.8,157.6 15.7,157.5 v1@15.3,157.5
  BTM w0.152: v1(7.7,162.5) 7.8,162.5 7.8,160.9 7.849,160.851 8.187,160.851 8.451,160.587 8.451,160.249 12,156.7 14.5,156.7 v1(15.2,157.4)
NetIC5_37: IC5.37 TP4.1 | length 3.9
  TOP w0.152: TP4.1@11.9,168.6 12,168.5 12.75,168.5 13.244,168.006 13.244,165.806 IC5.37@13.3,165.75
NetIC5_38: IC5.38 R23.1 | length 0.9
  TOP w0.152: IC5.38@12.8,165.75 12.8,166.67
NetIC16_18: IC16.18 R196.2 | length 3.6
  BTM w0.178: R196.2@45.95,135.55 46,135.5 48.25,135.5 48.45,135.3 IC16.18@48.45,134.3
NetIC16_22: IC16.22 R194.2 | length 2.1
  BTM w0.178: IC16.22@50.75,135.1 50.75,136.85 R194.2@51,137.1
NetIC16_23: IC16.23 R195.2 | length 2.3
  BTM w0.178: IC16.23@51.25,135.1 51.25,135.75 52,136.5 R195.2@52,137.1
NetLD1A_1: LD1A.1 R93A.2 | length 2.4
  BTM w0.152: LD1A.1@1,131.7 1.25,131.95 R93A.2@3.25,131.95
NetLD1B_1: LD1B.1 R93B.2 | length 2.4
  BTM w0.152: LD1B.1@0.955,117.426 1.205,117.676 R93B.2@3.205,117.676
NetLD1C_1: LD1C.1 R93C.2 | length 2.4
  BTM w0.152: LD1C.1@1.043,65.73 1.293,65.98 R93C.2@3.293,65.98
NetLD1D_1: LD1D.1 R93D.2 | length 2.4
  BTM w0.152: LD1D.1@0.992,51.456 1.242,51.706 R93D.2@3.242,51.706
NetLD1E_1: LD1E.1 R93E.2 | length 2.4
  BTM w0.152: LD1E.1@1.13,98.676 1.38,98.926 R93E.2@3.38,98.926
NetLD1F_1: LD1F.1 R93F.2 | length 2.4
  BTM w0.152: LD1F.1@0.955,84.426 1.205,84.676 R93F.2@3.205,84.676
NetR27_1: R27.1 U1.89 | length 4.8
  TOP w0.178: U1.89@45,172.7 45,172.11 44.87,171.98 44.87,169.43 45.1,169.2 R27.1@46.23,169.2
NetR28_1: R28.1 R29.2 | length 1
  TOP w0.152: R28.1@7,163.07 R29.2@7,164.03
NetR36_2: R36.2 R53.1 T8.3 | length 3.1
  TOP w0.178: T8.3@55.15,113 55.97,113 R53.1@56.5,112.47 56.5,113.97 R36.2@56.53,114
NetR37_2: R37.2 R109.1 T5.3 | length 2.4
  TOP w0.3: R109.1@52.57,150.8 R37.2@53.63,150.8 53.7,150.8 T5.3@53.7,149.5
NetR71_2: R71.2 U1.59 | length 2.2
  TOP w0.178: R71.2@31.9,176.2 32.3,176.6 U1.59@33.9,176.6
NetR73_1: R73.1 U1.35 | length 231.8
  TOP w0.178: U1.35@33.9,186.2 35.4,186.2 v1(35.5,186.1) ; v1(55.5,61) 56.13,61 R73.1@56.2,61.07
  BTM w0.178: v1(35.5,186.1) 35.5,184.2 36.207,183.493 36.207,182.805 38.533,180.479 38.533,175.433 31.538,168.438 31.538,163.038 27.7,159.2 20.336,159.2 17.92,156.784 17.92,150.848 17.6,150.528 17.6,148.163 15.775,146.338 15.775,141.103 13.947,139.275 13.275,139.275 9.675,135.675 9.675,133.403 9.18,132.908 9.18,119.973 9.475,119.678 9.475,118.974 9.16,118.659 9.16,99.819 9.335,99.644 9.335,85.834 9.16,85.659 9.16,68.385 9.43,68.115 9.43,67.146 9.248,66.964 9.248,52.74 9.18,52.672 9.18,48.82 16.137,41.863 47.613,41.863 61.925,56.175 61.925,58.897 62,58.972 62,59.428 61.925,59.503 61.925,59.897 62,59.972 62,61 61.5,61.5 56,61.5 v1(55.5,61)
NetR74_1: R74.1 U1.36 | length 176.9
  TOP w0.152: v1(45.9,59.9) 45.97,59.97 R74.1@55.2,59.97
  TOP w0.178: v1(16.25,141.25) v1(18.5,141.25) ; U1.36@33.9,185.8 35.128,185.8 35.303,185.625 36.075,185.625 v1(36.1,185.6)
  BTM w0.178: v1(16.25,141.25) 16.292,141.292 16.292,146.402 17.92,148.03 17.92,150.206 18.24,150.526 18.24,156.462 20.524,158.746 27.888,158.746 31.992,162.85 31.992,168.439 38.853,175.3 38.853,180.58 36.504,182.928 36.504,183.648 36.1,184.053 v1(36.1,185.6) ; v1(18.5,141.25) 19.247,140.503 19.247,138.544 23.75,134.041 23.75,64.328 28.828,59.25 29.664,59.25 30.009,59.595 32.191,59.595 32.536,59.25 36.15,59.25 36.475,59.575 37.625,59.575 37.965,59.915 45.885,59.915 v1(45.9,59.9)
NetTP20_1: TP20.1 U1.66 | length 5.8
  TOP w0.178: TP20.1@32.125,169.3 32.9,169.3 35.8,172.2 U1.66@35.8,173.1
NetTP22_1: TP22.1 U1.67 | length 8.1
  TOP w0.178: TP22.1@32.125,167.4 33.35,167.4 34.8,168.85 34.8,170.779 36.2,172.179 U1.67@36.2,173.1
NetTP25_1: TP25.1 U1.94 | length 3
  TOP w0.178: v5(46.6,174.9) 47,174.5 U1.94@47,173.1
  BTM w0.178: TP25.1@46.4,175.9 46.6,175.7 v5(46.6,174.9)
NetTP26_1: TP26.1 U1.93 | length 4.1
  TOP w0.178: v5(44.7,174.8) 45.1,174.4 46.4,174.4 46.6,174.2 U1.93@46.6,173.1
  BTM w0.178: TP26.1@44.6,175.6 44.6,174.9 v5(44.7,174.8)
NetTP27_1: TP27.1 U1.65 | length 4.2
  TOP w0.178: TP27.1@32,171.2 33.9,173.1 U1.65@35.4,173.1
NetTP41_1: TP41.1 U1.74 | length 4.7
  TOP w0.178: U1.74@39,173.1 39,174.15 39.375,174.525 41.075,174.525 41.125,174.575 41.125,174.525 v2(41.1,174.5)
  BTM w0.178: v2(41.1,174.5) 41.1,175.7 TP41.1@41.175,175.775
NetTP42_1: TP42.1 U1.18 | length 4.2
  TOP w0.178: U1.18@41,188.5 41,187.35 42.025,186.325 v2(42.4,186.325)
  BTM w0.178: v2(42.4,186.325) 42.4,185.175 TP42.1@42.45,185.125
NetTP43_1: TP43.1 U1.19 | length 7.7
  TOP w0.178: U1.19@40.6,188.5 40.6,186.875 41.1,186.375 41.1,182.175 v2(41.05,182.125)
  BTM w0.178: TP43.1@41,183.25 41,182.175 v2(41.05,182.125)
NetTP44_1: TP44.1 U1.20 | length 3.5
  TOP w0.178: U1.20@40.2,188.5 40.2,186.35 v2(40.375,186.175)
  BTM w0.178: v2(40.375,186.175) 40.55,186 TP44.1@40.55,185.125
NetTP45_1: TP45.1 U1.21 | length 4.6
  TOP w0.178: v2(38.6,185.475) 38.65,185.525 38.65,185.8 39.8,186.95 U1.21@39.8,188.5
  BTM w0.178: v2(38.6,185.475) 38.6,184.45 TP45.1@38.65,184.4
NetTP46_1: TP46.1 U1.5 | length 5.5
  TOP w0.178: U1.5@46.2,188.5 46.2,185 v2(46.75,184.45)
  BTM w0.178: TP46.1@46.75,183.225 v2(46.75,184.45)
NetTP47_1: TP47.1 U1.6 | length 5.7
  TOP w0.178: v2(44.9,184.325) 45.8,185.225 U1.6@45.8,188.5
  BTM w0.178: TP47.1@44.825,183.225 44.9,183.3 v2(44.9,184.325)
NetTP48_1: TP48.1 U1.11 | length 5.7
  TOP w0.178: v2(43.385,184.19) 43.436,184.241 43.436,187.392 43.708,187.664 43.8,187.664 U1.11@43.8,188.5
  BTM w0.178: TP48.1@42.95,183.225 43.385,183.66 v2(43.385,184.19)
NetTP49_1: TP49.1 U1.27 | length 2.2
  TOP w0.178: v2(37.35,187.325) 37.4,187.375 U1.27@37.4,188.5
  BTM w0.178: TP49.1@37.35,186.275 v2(37.35,187.325)
NetTP50_1: TP50.1 U1.102 | length 3.1
  TOP w0.178: U1.102@49.3,176.6 49.364,176.664 50.792,176.664 50.856,176.6 51.4,176.6 TP50.1@52.1,177.3
OVERN: IC1.14 R153.2 TP37.1 U1.77 | length 28.3
  TOP w0.178: v1(40.2,168.7) 39.8,169.1 39.8,171.734 40.2,172.134 U1.77@40.2,173.1 ; v1(51.175,168.675) 51.175,165.825 52.8,164.2 52.8,163.5 53.4,162.9 IC1.14@55.7,162.9 ; IC1.14@55.7,162.953 57.083,162.953 R153.2@57.33,163.2 57.33,164.18 TP37.1@57.875,164.725
  BTM w0.178: v1(40.2,168.7) 40.375,168.875 50.375,168.875 50.5,168.75 51.1,168.75 v1(51.175,168.675)